# KiCad board demomatrix.kicad_pcb (continued)
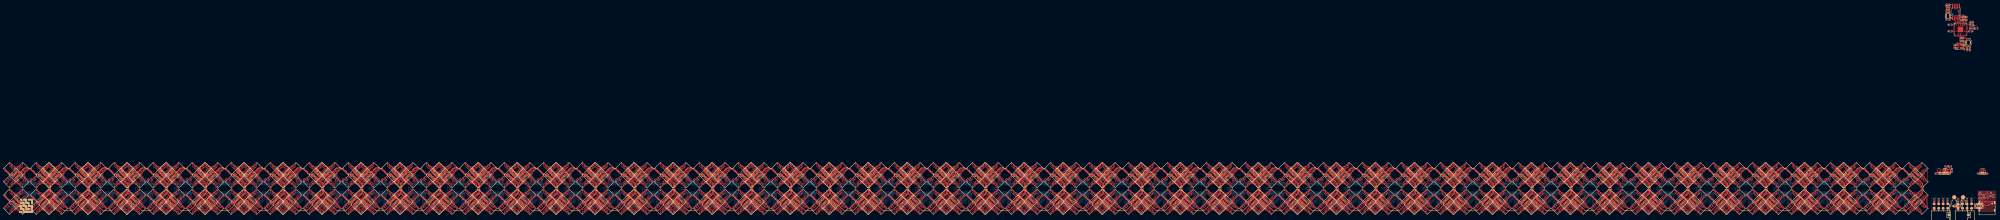
[diagram p0: board, top side]
## Routing (per net, layer and track width the routed paths; a pad name or vN(x,y) marks a point on that pad's centre or on a via; arc(x,y) is an arc through that point) (continued)
rgbs[3]-anodes-anode-171: length 1.8
  Top w0.2: LED316.8 -860.32,1.37 -859.11,1.37 -858.94,1.53 -858.9,1.53 LED315.7
rgbs[3]-anodes-anode-172: length 9.5
  Top w0.2: LED319.3 -842.13,-0.1 -842.13,-0.07 -841.98,0.08 -841.98,0.89 -843.54,2.45 -843.79,2.45 -844.47,1.77 -844.91,1.77 -845.59,2.45 -845.84,2.45 -846.4,1.89 -846.4,1.88 -846.69,1.59 -846.7,1.59 -847.43,0.87 -847.43,0.08 LED320.4
rgbs[3]-anodes-anode-173: length 12.8
  Top w0.2: LED319.1 -841.28,-0.94 -841.28,-0.9 -841.15,-0.77 -841.22,-0.69 -841.22,0.7 -843.37,2.85 -843.95,2.85 -844.64,2.17 -844.74,2.17 -845.43,2.85 -846.01,2.85 -846.8,2.06 -846.8,2.05 -846.86,1.99 -846.86,1.99 -848.16,0.7 -848.16,-0.88 LED320.2
rgbs[3]-anodes-anode-174: length 3.9
  Top w0.2: LED320.6 -846.46,0.62 -845.26,0.62 -844.92,0.97 -844.46,0.97 -844.11,0.61 -843.12,0.61 LED319.5
rgbs[3]-anodes-anode-175: length 1.8
  Top w0.2: LED319.7 -843.9,1.53 -843.94,1.53 -844.11,1.37 -845.32,1.37 LED320.8
rgbs[3]-anodes-anode-176: length 9.5
  Top w0.2: LED20.4 -840.43,15.08 -840.43,15.87 -839.7,16.59 -839.69,16.59 -839.4,16.88 -839.4,16.89 -838.84,17.45 -838.59,17.45 -837.91,16.77 -837.47,16.77 -836.79,17.45 -836.54,17.45 -834.98,15.89 -834.98,15.08 -835.13,14.93 -835.13,14.9 LED19.3
rgbs[3]-anodes-anode-177: length 12.8
  Top w0.2: LED19.1 -834.28,14.06 -834.28,14.1 -834.15,14.23 -834.22,14.31 -834.22,15.7 -836.37,17.85 -836.95,17.85 -837.64,17.17 -837.74,17.17 -838.43,17.85 -839.01,17.85 -839.8,17.06 -839.8,17.05 -839.86,16.99 -839.86,16.99 -841.16,15.7 -841.16,14.12 LED20.2
rgbs[3]-anodes-anode-178: length 3.9
  Top w0.2: LED19.5 -836.12,15.61 -837.11,15.61 -837.46,15.97 -837.92,15.97 -838.26,15.62 -839.46,15.62 LED20.6
rgbs[3]-anodes-anode-179: length 1.8
  Top w0.2: LED19.7 -836.9,16.53 -836.94,16.53 -837.11,16.37 -838.32,16.37 LED20.8
rgbs[3]-anodes-anode-180: length 9.5
  Top w0.2: LED24.4 -825.43,15.08 -825.43,15.87 -824.7,16.59 -824.69,16.59 -824.4,16.88 -824.4,16.89 -823.84,17.45 -823.59,17.45 -822.91,16.77 -822.47,16.77 -821.79,17.45 -821.54,17.45 -819.98,15.89 -819.98,15.08 -820.13,14.93 -820.13,14.9 LED23.3
rgbs[3]-anodes-anode-181: length 12.8
  Top w0.2: LED24.2 -826.16,14.12 -826.16,15.7 -824.86,16.99 -824.86,16.99 -824.8,17.05 -824.8,17.06 -824.01,17.85 -823.43,17.85 -822.74,17.17 -822.64,17.17 -821.95,17.85 -821.37,17.85 -819.22,15.7 -819.22,14.31 -819.15,14.23 -819.28,14.1 -819.28,14.06 LED23.1
rgbs[3]-anodes-anode-182: length 3.9
  Top w0.2: LED24.6 -824.46,15.62 -823.26,15.62 -822.92,15.97 -822.46,15.97 -822.11,15.61 -821.12,15.61 LED23.5
rgbs[3]-anodes-anode-183: length 1.8
  Top w0.2: LED23.7 -821.9,16.53 -821.94,16.53 -822.11,16.37 -823.32,16.37 LED24.8
rgbs[3]-anodes-anode-184: length 9.5
  Top w0.2: LED28.4 -840.43,0.08 -840.43,0.87 -839.7,1.59 -839.69,1.59 -839.4,1.88 -839.4,1.89 -838.84,2.45 -838.59,2.45 -837.91,1.77 -837.47,1.77 -836.79,2.45 -836.54,2.45 -834.98,0.89 -834.98,0.08 -835.13,-0.07 -835.13,-0.1 LED27.3
rgbs[3]-anodes-anode-185: length 12.8
  Top w0.2: LED27.1 -834.28,-0.94 -834.28,-0.9 -834.15,-0.77 -834.22,-0.69 -834.22,0.7 -836.37,2.85 -836.95,2.85 -837.64,2.17 -837.74,2.17 -838.43,2.85 -839.01,2.85 -839.8,2.06 -839.8,2.05 -839.86,1.99 -839.86,1.99 -841.16,0.7 -841.16,-0.88 LED28.2
rgbs[3]-anodes-anode-186: length 3.9
  Top w0.2: LED27.5 -836.12,0.61 -837.11,0.61 -837.46,0.97 -837.92,0.97 -838.26,0.62 -839.46,0.62 LED28.6
rgbs[3]-anodes-anode-187: length 1.8
  Top w0.2: LED28.8 -838.32,1.37 -837.11,1.37 -836.94,1.53 -836.9,1.53 LED27.7
rgbs[3]-anodes-anode-188: length 9.5
  Top w0.2: LED32.4 -825.43,0.08 -825.43,0.87 -824.7,1.59 -824.69,1.59 -824.4,1.88 -824.4,1.89 -823.84,2.45 -823.59,2.45 -822.91,1.77 -822.47,1.77 -821.79,2.45 -821.54,2.45 -819.98,0.89 -819.98,0.08 -820.13,-0.07 -820.13,-0.1 LED31.3
rgbs[3]-anodes-anode-189: length 12.8
  Top w0.2: LED32.2 -826.16,-0.88 -826.16,0.7 -824.86,1.99 -824.86,1.99 -824.8,2.05 -824.8,2.06 -824.01,2.85 -823.43,2.85 -822.74,2.17 -822.64,2.17 -821.95,2.85 -821.37,2.85 -819.22,0.7 -819.22,-0.69 -819.15,-0.77 -819.28,-0.9 -819.28,-0.94 LED31.1
rgbs[3]-anodes-anode-190: length 3.9
  Top w0.2: LED31.5 -821.12,0.61 -822.11,0.61 -822.46,0.97 -822.92,0.97 -823.26,0.62 -824.46,0.62 LED32.6
rgbs[3]-anodes-anode-191: length 1.8
  Top w0.2: LED32.8 -823.32,1.37 -822.11,1.37 -821.94,1.53 -821.9,1.53 LED31.7
rgbs[3]-anodes-anode-192: length 9.5
  Top w0.2: LED324.4 -818.43,15.08 -818.43,15.87 -817.7,16.59 -817.69,16.59 -817.4,16.88 -817.4,16.89 -816.84,17.45 -816.59,17.45 -815.91,16.77 -815.47,16.77 -814.79,17.45 -814.54,17.45 -812.98,15.89 -812.98,15.08 -813.13,14.93 -813.13,14.9 LED323.3
rgbs[3]-anodes-anode-193: length 12.8
  Top w0.2: LED324.2 -819.16,14.12 -819.16,15.7 -817.86,16.99 -817.86,16.99 -817.8,17.05 -817.8,17.06 -817.01,17.85 -816.43,17.85 -815.74,17.17 -815.64,17.17 -814.95,17.85 -814.37,17.85 -812.22,15.7 -812.22,14.31 -812.15,14.23 -812.28,14.1 -812.28,14.06 LED323.1
rgbs[3]-anodes-anode-194: length 3.9
  Top w0.2: LED324.6 -817.46,15.62 -816.26,15.62 -815.92,15.97 -815.46,15.97 -815.11,15.61 -814.12,15.61 LED323.5
rgbs[3]-anodes-anode-195: length 1.8
  Top w0.2: LED324.8 -816.32,16.37 -815.11,16.37 -814.94,16.53 -814.9,16.53 LED323.7
rgbs[3]-anodes-anode-196: length 9.5
  Top w0.2: LED328.4 -803.43,15.08 -803.43,15.87 -802.7,16.59 -802.69,16.59 -802.4,16.88 -802.4,16.89 -801.84,17.45 -801.59,17.45 -800.91,16.77 -800.47,16.77 -799.79,17.45 -799.54,17.45 -797.98,15.89 -797.98,15.08 -798.13,14.93 -798.13,14.9 LED327.3
rgbs[3]-anodes-anode-197: length 12.8
  Top w0.2: LED328.2 -804.16,14.12 -804.16,15.7 -802.86,16.99 -802.86,16.99 -802.8,17.05 -802.8,17.06 -802.01,17.85 -801.43,17.85 -800.74,17.17 -800.64,17.17 -799.95,17.85 -799.37,17.85 -797.22,15.7 -797.22,14.31 -797.15,14.23 -797.28,14.1 -797.28,14.06 LED327.1
rgbs[3]-anodes-anode-198: length 3.9
  Top w0.2: LED327.5 -799.12,15.61 -800.11,15.61 -800.46,15.97 -800.92,15.97 -801.26,15.62 -802.46,15.62 LED328.6
rgbs[3]-anodes-anode-199: length 1.8
  Top w0.2: LED327.7 -799.9,16.53 -799.94,16.53 -800.11,16.37 -801.32,16.37 LED328.8
rgbs[3]-anodes-anode-200: length 9.5
  Top w0.2: LED331.3 -813.13,-0.1 -813.13,-0.07 -812.98,0.08 -812.98,0.89 -814.54,2.45 -814.79,2.45 -815.47,1.77 -815.91,1.77 -816.59,2.45 -816.84,2.45 -817.4,1.89 -817.4,1.88 -817.69,1.59 -817.7,1.59 -818.43,0.87 -818.43,0.08 LED332.4
rgbs[3]-anodes-anode-201: length 12.8
  Top w0.2: LED331.1 -812.28,-0.94 -812.28,-0.9 -812.15,-0.77 -812.22,-0.69 -812.22,0.7 -814.37,2.85 -814.95,2.85 -815.64,2.17 -815.74,2.17 -816.43,2.85 -817.01,2.85 -817.8,2.06 -817.8,2.05 -817.86,1.99 -817.86,1.99 -819.16,0.7 -819.16,-0.88 LED332.2
rgbs[3]-anodes-anode-202: length 3.9
  Top w0.2: LED332.6 -817.46,0.62 -816.26,0.62 -815.92,0.97 -815.46,0.97 -815.11,0.61 -814.12,0.61 LED331.5
rgbs[3]-anodes-anode-203: length 1.8
  Top w0.2: LED331.7 -814.9,1.53 -814.94,1.53 -815.11,1.37 -816.32,1.37 LED332.8
rgbs[3]-anodes-anode-204: length 9.5
  Top w0.2: LED335.3 -798.13,-0.1 -798.13,-0.07 -797.98,0.08 -797.98,0.89 -799.54,2.45 -799.79,2.45 -800.47,1.77 -800.91,1.77 -801.59,2.45 -801.84,2.45 -802.4,1.89 -802.4,1.88 -802.69,1.59 -802.7,1.59 -803.43,0.87 -803.43,0.08 LED336.4
rgbs[3]-anodes-anode-205: length 12.8
  Top w0.2: LED336.2 -804.16,-0.88 -804.16,0.7 -802.86,1.99 -802.86,1.99 -802.8,2.05 -802.8,2.06 -802.01,2.85 -801.43,2.85 -800.74,2.17 -800.64,2.17 -799.95,2.85 -799.37,2.85 -797.22,0.7 -797.22,-0.69 -797.15,-0.77 -797.28,-0.9 -797.28,-0.94 LED335.1
rgbs[3]-anodes-anode-206: length 3.9
  Top w0.2: LED336.6 -802.46,0.62 -801.26,0.62 -800.92,0.97 -800.46,0.97 -800.11,0.61 -799.12,0.61 LED335.5
rgbs[3]-anodes-anode-207: length 1.8
  Top w0.2: LED335.7 -799.9,1.53 -799.94,1.53 -800.11,1.37 -801.32,1.37 LED336.8
rgbs[3]-anodes-anode-208: length 9.5
  Top w0.2: LED339.3 -791.13,14.9 -791.13,14.93 -790.98,15.08 -790.98,15.89 -792.54,17.45 -792.79,17.45 -793.47,16.77 -793.91,16.77 -794.59,17.45 -794.84,17.45 -795.4,16.89 -795.4,16.88 -795.69,16.59 -795.7,16.59 -796.43,15.87 -796.43,15.08 LED340.4
rgbs[3]-anodes-anode-209: length 12.8
  Top w0.2: LED340.2 -797.16,14.12 -797.16,15.7 -795.86,16.99 -795.86,16.99 -795.8,17.05 -795.8,17.06 -795.01,17.85 -794.43,17.85 -793.74,17.17 -793.64,17.17 -792.95,17.85 -792.37,17.85 -790.22,15.7 -790.22,14.31 -790.15,14.23 -790.28,14.1 -790.28,14.06 LED339.1
rgbs[3]-anodes-anode-210: length 3.9
  Top w0.2: LED340.6 -795.46,15.62 -794.26,15.62 -793.92,15.97 -793.46,15.97 -793.11,15.61 -792.12,15.61 LED339.5
rgbs[3]-anodes-anode-211: length 1.8
  Top w0.2: LED340.8 -794.32,16.37 -793.11,16.37 -792.94,16.53 -792.9,16.53 LED339.7
rgbs[3]-anodes-anode-212: length 9.5
  Top w0.2: LED344.4 -781.43,15.08 -781.43,15.87 -780.7,16.59 -780.69,16.59 -780.4,16.88 -780.4,16.89 -779.84,17.45 -779.59,17.45 -778.91,16.77 -778.47,16.77 -777.79,17.45 -777.54,17.45 -775.98,15.89 -775.98,15.08 -776.13,14.93 -776.13,14.9 LED343.3
rgbs[3]-anodes-anode-213: length 12.8
  Top w0.2: LED344.2 -782.16,14.12 -782.16,15.7 -780.86,16.99 -780.86,16.99 -780.8,17.05 -780.8,17.06 -780.01,17.85 -779.43,17.85 -778.74,17.17 -778.64,17.17 -777.95,17.85 -777.37,17.85 -775.22,15.7 -775.22,14.31 -775.15,14.23 -775.28,14.1 -775.28,14.06 LED343.1
rgbs[3]-anodes-anode-214: length 3.9
  Top w0.2: LED344.6 -780.46,15.62 -779.26,15.62 -778.92,15.97 -778.46,15.97 -778.11,15.61 -777.12,15.61 LED343.5
rgbs[3]-anodes-anode-215: length 1.8
  Top w0.2: LED343.7 -777.9,16.53 -777.94,16.53 -778.11,16.37 -779.32,16.37 LED344.8
rgbs[3]-anodes-anode-216: length 9.5
  Top w0.2: LED348.4 -796.43,0.08 -796.43,0.87 -795.7,1.59 -795.69,1.59 -795.4,1.88 -795.4,1.89 -794.84,2.45 -794.59,2.45 -793.91,1.77 -793.47,1.77 -792.79,2.45 -792.54,2.45 -790.98,0.89 -790.98,0.08 -791.13,-0.07 -791.13,-0.1 LED347.3
rgbs[3]-anodes-anode-217: length 12.8
  Top w0.2: LED347.1 -790.28,-0.94 -790.28,-0.9 -790.15,-0.77 -790.22,-0.69 -790.22,0.7 -792.37,2.85 -792.95,2.85 -793.64,2.17 -793.74,2.17 -794.43,2.85 -795.01,2.85 -795.8,2.06 -795.8,2.05 -795.86,1.99 -795.86,1.99 -797.16,0.7 -797.16,-0.88 LED348.2
rgbs[3]-anodes-anode-218: length 3.9
  Top w0.2: LED347.5 -792.12,0.61 -793.11,0.61 -793.46,0.97 -793.92,0.97 -794.26,0.62 -795.46,0.62 LED348.6
rgbs[3]-anodes-anode-219: length 1.8
  Top w0.2: LED347.7 -792.9,1.53 -792.94,1.53 -793.11,1.37 -794.32,1.37 LED348.8
rgbs[3]-anodes-anode-220: length 9.5
  Top w0.2: LED351.3 -776.13,-0.1 -776.13,-0.07 -775.98,0.08 -775.98,0.89 -777.54,2.45 -777.79,2.45 -778.47,1.77 -778.91,1.77 -779.59,2.45 -779.84,2.45 -780.4,1.89 -780.4,1.88 -780.69,1.59 -780.7,1.59 -781.43,0.87 -781.43,0.08 LED352.4
rgbs[3]-anodes-anode-221: length 12.8
  Top w0.2: LED352.2 -782.16,-0.88 -782.16,0.7 -780.86,1.99 -780.86,1.99 -780.8,2.05 -780.8,2.06 -780.01,2.85 -779.43,2.85 -778.74,2.17 -778.64,2.17 -777.95,2.85 -777.37,2.85 -775.22,0.7 -775.22,-0.69 -775.15,-0.77 -775.28,-0.9 -775.28,-0.94 LED351.1
rgbs[3]-anodes-anode-222: length 3.9
  Top w0.2: LED352.6 -780.46,0.62 -779.26,0.62 -778.92,0.97 -778.46,0.97 -778.11,0.61 -777.12,0.61 LED351.5
rgbs[3]-anodes-anode-223: length 1.8
  Top w0.2: LED351.7 -777.9,1.53 -777.94,1.53 -778.11,1.37 -779.32,1.37 LED352.8
rgbs[3]-anodes-anode-224: length 9.5
  Top w0.2: LED355.3 -769.13,14.9 -769.13,14.93 -768.98,15.08 -768.98,15.89 -770.54,17.45 -770.79,17.45 -771.47,16.77 -771.91,16.77 -772.59,17.45 -772.84,17.45 -773.4,16.89 -773.4,16.88 -773.69,16.59 -773.7,16.59 -774.43,15.87 -774.43,15.08 LED356.4
rgbs[3]-anodes-anode-225: length 12.8
  Top w0.2: LED355.1 -768.28,14.06 -768.28,14.1 -768.15,14.23 -768.22,14.31 -768.22,15.7 -770.37,17.85 -770.95,17.85 -771.64,17.17 -771.74,17.17 -772.43,17.85 -773.01,17.85 -773.8,17.06 -773.8,17.05 -773.86,16.99 -773.86,16.99 -775.16,15.7 -775.16,14.12 LED356.2
rgbs[3]-anodes-anode-226: length 3.9
  Top w0.2: LED356.6 -773.46,15.62 -772.26,15.62 -771.92,15.97 -771.46,15.97 -771.11,15.61 -770.12,15.61 LED355.5
rgbs[3]-anodes-anode-227: length 1.8
  Top w0.2: LED356.8 -772.32,16.37 -771.11,16.37 -770.94,16.53 -770.9,16.53 LED355.7
rgbs[3]-anodes-anode-228: length 9.5
  Top w0.2: LED360.4 -759.43,15.08 -759.43,15.87 -758.7,16.59 -758.69,16.59 -758.4,16.88 -758.4,16.89 -757.84,17.45 -757.59,17.45 -756.91,16.77 -756.47,16.77 -755.79,17.45 -755.54,17.45 -753.98,15.89 -753.98,15.08 -754.13,14.93 -754.13,14.9 LED359.3
rgbs[3]-anodes-anode-229: length 12.8
  Top w0.2: LED359.1 -753.28,14.06 -753.28,14.1 -753.15,14.23 -753.22,14.31 -753.22,15.7 -755.37,17.85 -755.95,17.85 -756.64,17.17 -756.74,17.17 -757.43,17.85 -758.01,17.85 -758.8,17.06 -758.8,17.05 -758.86,16.99 -758.86,16.99 -760.16,15.7 -760.16,14.12 LED360.2
rgbs[3]-anodes-anode-230: length 3.9
  Top w0.2: LED359.5 -755.12,15.61 -756.11,15.61 -756.46,15.97 -756.92,15.97 -757.26,15.62 -758.46,15.62 LED360.6
rgbs[3]-anodes-anode-231: length 1.8
  Top w0.2: LED360.8 -757.32,16.37 -756.11,16.37 -755.94,16.53 -755.9,16.53 LED359.7
rgbs[3]-anodes-anode-232: length 9.5
  Top w0.2: LED363.3 -769.13,-0.1 -769.13,-0.07 -768.98,0.08 -768.98,0.89 -770.54,2.45 -770.79,2.45 -771.47,1.77 -771.91,1.77 -772.59,2.45 -772.84,2.45 -773.4,1.89 -773.4,1.88 -773.69,1.59 -773.7,1.59 -774.43,0.87 -774.43,0.08 LED364.4
rgbs[3]-anodes-anode-233: length 12.8
  Top w0.2: LED363.1 -768.28,-0.94 -768.28,-0.9 -768.15,-0.77 -768.22,-0.69 -768.22,0.7 -770.37,2.85 -770.95,2.85 -771.64,2.17 -771.74,2.17 -772.43,2.85 -773.01,2.85 -773.8,2.06 -773.8,2.05 -773.86,1.99 -773.86,1.99 -775.16,0.7 -775.16,-0.88 LED364.2
rgbs[3]-anodes-anode-234: length 3.9
  Top w0.2: LED364.6 -773.46,0.62 -772.26,0.62 -771.92,0.97 -771.46,0.97 -771.11,0.61 -770.12,0.61 LED363.5
rgbs[3]-anodes-anode-235: length 1.8
  Top w0.2: LED363.7 -770.9,1.53 -770.94,1.53 -771.11,1.37 -772.32,1.37 LED364.8
rgbs[3]-anodes-anode-236: length 9.5
  Top w0.2: LED367.3 -754.13,-0.1 -754.13,-0.07 -753.98,0.08 -753.98,0.89 -755.54,2.45 -755.79,2.45 -756.47,1.77 -756.91,1.77 -757.59,2.45 -757.84,2.45 -758.4,1.89 -758.4,1.88 -758.69,1.59 -758.7,1.59 -759.43,0.87 -759.43,0.08 LED368.4
rgbs[3]-anodes-anode-237: length 12.8
  Top w0.2: LED368.2 -760.16,-0.88 -760.16,0.7 -758.86,1.99 -758.86,1.99 -758.8,2.05 -758.8,2.06 -758.01,2.85 -757.43,2.85 -756.74,2.17 -756.64,2.17 -755.95,2.85 -755.37,2.85 -753.22,0.7 -753.22,-0.69 -753.15,-0.77 -753.28,-0.9 -753.28,-0.94 LED367.1
rgbs[3]-anodes-anode-238: length 3.9
  Top w0.2: LED368.6 -758.46,0.62 -757.26,0.62 -756.92,0.97 -756.46,0.97 -756.11,0.61 -755.12,0.61 LED367.5
rgbs[3]-anodes-anode-239: length 1.8
  Top w0.2: LED368.8 -757.32,1.37 -756.11,1.37 -755.94,1.53 -755.9,1.53 LED367.7
rgbs[3]-anodes-anode-240: length 9.5
  Top w0.2: LED371.3 -747.13,14.9 -747.13,14.93 -746.98,15.08 -746.98,15.89 -748.54,17.45 -748.79,17.45 -749.47,16.77 -749.91,16.77 -750.59,17.45 -750.84,17.45 -751.4,16.89 -751.4,16.88 -751.69,16.59 -751.7,16.59 -752.43,15.87 -752.43,15.08 LED372.4
rgbs[3]-anodes-anode-241: length 12.8
  Top w0.2: LED371.1 -746.28,14.06 -746.28,14.1 -746.15,14.23 -746.22,14.31 -746.22,15.7 -748.37,17.85 -748.95,17.85 -749.64,17.17 -749.74,17.17 -750.43,17.85 -751.01,17.85 -751.8,17.06 -751.8,17.05 -751.86,16.99 -751.86,16.99 -753.16,15.7 -753.16,14.12 LED372.2
rgbs[3]-anodes-anode-242: length 3.9
  Top w0.2: LED372.6 -751.46,15.62 -750.26,15.62 -749.92,15.97 -749.46,15.97 -749.11,15.61 -748.12,15.61 LED371.5
rgbs[3]-anodes-anode-243: length 1.8
  Top w0.2: LED372.8 -750.32,16.37 -749.11,16.37 -748.94,16.53 -748.9,16.53 LED371.7
rgbs[3]-anodes-anode-244: length 9.5
  Top w0.2: LED376.4 -737.43,15.08 -737.43,15.87 -736.7,16.59 -736.69,16.59 -736.4,16.88 -736.4,16.89 -735.84,17.45 -735.59,17.45 -734.91,16.77 -734.47,16.77 -733.79,17.45 -733.54,17.45 -731.98,15.89 -731.98,15.08 -732.13,14.93 -732.13,14.9 LED375.3
rgbs[3]-anodes-anode-245: length 12.8
  Top w0.2: LED375.1 -731.28,14.06 -731.28,14.1 -731.15,14.23 -731.22,14.31 -731.22,15.7 -733.37,17.85 -733.95,17.85 -734.64,17.17 -734.74,17.17 -735.43,17.85 -736.01,17.85 -736.8,17.06 -736.8,17.05 -736.86,16.99 -736.86,16.99 -738.16,15.7 -738.16,14.12 LED376.2
rgbs[3]-anodes-anode-246: length 3.9
  Top w0.2: LED376.6 -736.46,15.62 -735.26,15.62 -734.92,15.97 -734.46,15.97 -734.11,15.61 -733.12,15.61 LED375.5
rgbs[3]-anodes-anode-247: length 1.8
  Top w0.2: LED376.8 -735.32,16.37 -734.11,16.37 -733.94,16.53 -733.9,16.53 LED375.7
rgbs[3]-anodes-anode-248: length 9.5
  Top w0.2: LED379.3 -747.13,-0.1 -747.13,-0.07 -746.98,0.08 -746.98,0.89 -748.54,2.45 -748.79,2.45 -749.47,1.77 -749.91,1.77 -750.59,2.45 -750.84,2.45 -751.4,1.89 -751.4,1.88 -751.69,1.59 -751.7,1.59 -752.43,0.87 -752.43,0.08 LED380.4
rgbs[3]-anodes-anode-249: length 12.8
  Top w0.2: LED379.1 -746.28,-0.94 -746.28,-0.9 -746.15,-0.77 -746.22,-0.69 -746.22,0.7 -748.37,2.85 -748.95,2.85 -749.64,2.17 -749.74,2.17 -750.43,2.85 -751.01,2.85 -751.8,2.06 -751.8,2.05 -751.86,1.99 -751.86,1.99 -753.16,0.7 -753.16,-0.88 LED380.2
rgbs[3]-anodes-anode-250: length 3.9
  Top w0.2: LED379.5 -748.12,0.61 -749.11,0.61 -749.46,0.97 -749.92,0.97 -750.26,0.62 -751.46,0.62 LED380.6
rgbs[3]-anodes-anode-251: length 1.8
  Top w0.2: LED379.7 -748.9,1.53 -748.94,1.53 -749.11,1.37 -750.32,1.37 LED380.8
rgbs[3]-anodes-anode-252: length 9.5
  Top w0.2: LED384.4 -737.43,0.08 -737.43,0.87 -736.7,1.59 -736.69,1.59 -736.4,1.88 -736.4,1.89 -735.84,2.45 -735.59,2.45 -734.91,1.77 -734.47,1.77 -733.79,2.45 -733.54,2.45 -731.98,0.89 -731.98,0.08 -732.13,-0.07 -732.13,-0.1 LED383.3
rgbs[3]-anodes-anode-253: length 12.8
  Top w0.2: LED384.2 -738.16,-0.88 -738.16,0.7 -736.86,1.99 -736.86,1.99 -736.8,2.05 -736.8,2.06 -736.01,2.85 -735.43,2.85 -734.74,2.17 -734.64,2.17 -733.95,2.85 -733.37,2.85 -731.22,0.7 -731.22,-0.69 -731.15,-0.77 -731.28,-0.9 -731.28,-0.94 LED383.1
rgbs[3]-anodes-anode-254: length 3.9
  Top w0.2: LED384.6 -736.46,0.62 -735.26,0.62 -734.92,0.97 -734.46,0.97 -734.11,0.61 -733.12,0.61 LED383.5
rgbs[3]-anodes-anode-255: length 1.8
  Top w0.2: LED384.8 -735.32,1.37 -734.11,1.37 -733.94,1.53 -733.9,1.53 LED383.7
rgbs[3]-anodes-anode-256: length 9.5
  Top w0.2: LED387.3 -725.13,14.9 -725.13,14.93 -724.98,15.08 -724.98,15.89 -726.54,17.45 -726.79,17.45 -727.47,16.77 -727.91,16.77 -728.59,17.45 -728.84,17.45 -729.4,16.89 -729.4,16.88 -729.69,16.59 -729.7,16.59 -730.43,15.87 -730.43,15.08 LED388.4
rgbs[3]-anodes-anode-257: length 12.8
  Top w0.2: LED387.1 -724.28,14.06 -724.28,14.1 -724.15,14.23 -724.22,14.31 -724.22,15.7 -726.37,17.85 -726.95,17.85 -727.64,17.17 -727.74,17.17 -728.43,17.85 -729.01,17.85 -729.8,17.06 -729.8,17.05 -729.86,16.99 -729.86,16.99 -731.16,15.7 -731.16,14.12 LED388.2
rgbs[3]-anodes-anode-258: length 3.9
  Top w0.2: LED388.6 -729.46,15.62 -728.26,15.62 -727.92,15.97 -727.46,15.97 -727.11,15.61 -726.12,15.61 LED387.5
rgbs[3]-anodes-anode-259: length 1.8
  Top w0.2: LED387.7 -726.9,16.53 -726.94,16.53 -727.11,16.37 -728.32,16.37 LED388.8
rgbs[3]-anodes-anode-260: length 9.5
  Top w0.2: LED392.4 -715.43,15.08 -715.43,15.87 -714.7,16.59 -714.69,16.59 -714.4,16.88 -714.4,16.89 -713.84,17.45 -713.59,17.45 -712.91,16.77 -712.47,16.77 -711.79,17.45 -711.54,17.45 -709.98,15.89 -709.98,15.08 -710.13,14.93 -710.13,14.9 LED391.3
rgbs[3]-anodes-anode-261: length 12.8
  Top w0.2: LED392.2 -716.16,14.12 -716.16,15.7 -714.86,16.99 -714.86,16.99 -714.8,17.05 -714.8,17.06 -714.01,17.85 -713.43,17.85 -712.74,17.17 -712.64,17.17 -711.95,17.85 -711.37,17.85 -709.22,15.7 -709.22,14.31 -709.15,14.23 -709.28,14.1 -709.28,14.06 LED391.1
rgbs[3]-anodes-anode-262: length 3.9
  Top w0.2: LED391.5 -711.12,15.61 -712.11,15.61 -712.46,15.97 -712.92,15.97 -713.26,15.62 -714.46,15.62 LED392.6
rgbs[3]-anodes-anode-263: length 1.8
  Top w0.2: LED391.7 -711.9,16.53 -711.94,16.53 -712.11,16.37 -713.32,16.37 LED392.8
rgbs[3]-anodes-anode-264: length 9.5
  Top w0.2: LED395.3 -725.13,-0.1 -725.13,-0.07 -724.98,0.08 -724.98,0.89 -726.54,2.45 -726.79,2.45 -727.47,1.77 -727.91,1.77 -728.59,2.45 -728.84,2.45 -729.4,1.89 -729.4,1.88 -729.69,1.59 -729.7,1.59 -730.43,0.87 -730.43,0.08 LED396.4
rgbs[3]-anodes-anode-265: length 12.8
  Top w0.2: LED395.1 -724.28,-0.94 -724.28,-0.9 -724.15,-0.77 -724.22,-0.69 -724.22,0.7 -726.37,2.85 -726.95,2.85 -727.64,2.17 -727.74,2.17 -728.43,2.85 -729.01,2.85 -729.8,2.06 -729.8,2.05 -729.86,1.99 -729.86,1.99 -731.16,0.7 -731.16,-0.88 LED396.2
rgbs[3]-anodes-anode-266: length 3.9
  Top w0.2: LED395.5 -726.12,0.61 -727.11,0.61 -727.46,0.97 -727.92,0.97 -728.26,0.62 -729.46,0.62 LED396.6
rgbs[3]-anodes-anode-267: length 1.8
  Top w0.2: LED395.7 -726.9,1.53 -726.94,1.53 -727.11,1.37 -728.32,1.37 LED396.8
rgbs[3]-anodes-anode-268: length 9.5
  Top w0.2: LED399.3 -710.13,-0.1 -710.13,-0.07 -709.98,0.08 -709.98,0.89 -711.54,2.45 -711.79,2.45 -712.47,1.77 -712.91,1.77 -713.59,2.45 -713.84,2.45 -714.4,1.89 -714.4,1.88 -714.69,1.59 -714.7,1.59 -715.43,0.87 -715.43,0.08 LED400.4
rgbs[3]-anodes-anode-269: length 12.8
  Top w0.2: LED399.1 -709.28,-0.94 -709.28,-0.9 -709.15,-0.77 -709.22,-0.69 -709.22,0.7 -711.37,2.85 -711.95,2.85 -712.64,2.17 -712.74,2.17 -713.43,2.85 -714.01,2.85 -714.8,2.06 -714.8,2.05 -714.86,1.99 -714.86,1.99 -716.16,0.7 -716.16,-0.88 LED400.2
rgbs[3]-anodes-anode-270: length 3.9
  Top w0.2: LED400.6 -714.46,0.62 -713.26,0.62 -712.92,0.97 -712.46,0.97 -712.11,0.61 -711.12,0.61 LED399.5
rgbs[3]-anodes-anode-271: length 1.8
  Top w0.2: LED399.7 -711.9,1.53 -711.94,1.53 -712.11,1.37 -713.32,1.37 LED400.8
rgbs[3]-anodes-anode-272: length 9.5
  Top w0.2: LED403.3 -703.13,14.9 -703.13,14.93 -702.98,15.08 -702.98,15.89 -704.54,17.45 -704.79,17.45 -705.47,16.77 -705.91,16.77 -706.59,17.45 -706.84,17.45 -707.4,16.89 -707.4,16.88 -707.69,16.59 -707.7,16.59 -708.43,15.87 -708.43,15.08 LED404.4
rgbs[3]-anodes-anode-273: length 12.8
  Top w0.2: LED403.1 -702.28,14.06 -702.28,14.1 -702.15,14.23 -702.22,14.31 -702.22,15.7 -704.37,17.85 -704.95,17.85 -705.64,17.17 -705.74,17.17 -706.43,17.85 -707.01,17.85 -707.8,17.06 -707.8,17.05 -707.86,16.99 -707.86,16.99 -709.16,15.7 -709.16,14.12 LED404.2
rgbs[3]-anodes-anode-274: length 3.9
  Top w0.2: LED403.5 -704.12,15.61 -705.11,15.61 -705.46,15.97 -705.92,15.97 -706.26,15.62 -707.46,15.62 LED404.6
rgbs[3]-anodes-anode-275: length 1.8
  Top w0.2: LED403.7 -704.9,16.53 -704.94,16.53 -705.11,16.37 -706.32,16.37 LED404.8
rgbs[3]-anodes-anode-276: length 9.5
  Top w0.2: LED407.3 -688.13,14.9 -688.13,14.93 -687.98,15.08 -687.98,15.89 -689.54,17.45 -689.79,17.45 -690.47,16.77 -690.91,16.77 -691.59,17.45 -691.84,17.45 -692.4,16.89 -692.4,16.88 -692.69,16.59 -692.7,16.59 -693.43,15.87 -693.43,15.08 LED408.4
rgbs[3]-anodes-anode-277: length 12.8
  Top w0.2: LED407.1 -687.28,14.06 -687.28,14.1 -687.15,14.23 -687.22,14.31 -687.22,15.7 -689.37,17.85 -689.95,17.85 -690.64,17.17 -690.74,17.17 -691.43,17.85 -692.01,17.85 -692.8,17.06 -692.8,17.05 -692.86,16.99 -692.86,16.99 -694.16,15.7 -694.16,14.12 LED408.2
rgbs[3]-anodes-anode-278: length 3.9
  Top w0.2: LED407.5 -689.12,15.61 -690.11,15.61 -690.46,15.97 -690.92,15.97 -691.26,15.62 -692.46,15.62 LED408.6
rgbs[3]-anodes-anode-279: length 1.8
  Top w0.2: LED407.7 -689.9,16.53 -689.94,16.53 -690.11,16.37 -691.32,16.37 LED408.8
rgbs[3]-anodes-anode-280: length 9.5
  Top w0.2: LED411.3 -703.13,-0.1 -703.13,-0.07 -702.98,0.08 -702.98,0.89 -704.54,2.45 -704.79,2.45 -705.47,1.77 -705.91,1.77 -706.59,2.45 -706.84,2.45 -707.4,1.89 -707.4,1.88 -707.69,1.59 -707.7,1.59 -708.43,0.87 -708.43,0.08 LED412.4
rgbs[3]-anodes-anode-281: length 12.8
  Top w0.2: LED412.2 -709.16,-0.88 -709.16,0.7 -707.86,1.99 -707.86,1.99 -707.8,2.05 -707.8,2.06 -707.01,2.85 -706.43,2.85 -705.74,2.17 -705.64,2.17 -704.95,2.85 -704.37,2.85 -702.22,0.7 -702.22,-0.69 -702.15,-0.77 -702.28,-0.9 -702.28,-0.94 LED411.1
rgbs[3]-anodes-anode-282: length 3.9
  Top w0.2: LED412.6 -707.46,0.62 -706.26,0.62 -705.92,0.97 -705.46,0.97 -705.11,0.61 -704.12,0.61 LED411.5
rgbs[3]-anodes-anode-283: length 1.8
  Top w0.2: LED411.7 -704.9,1.53 -704.94,1.53 -705.11,1.37 -706.32,1.37 LED412.8
rgbs[3]-anodes-anode-284: length 9.5
  Top w0.2: LED415.3 -688.13,-0.1 -688.13,-0.07 -687.98,0.08 -687.98,0.89 -689.54,2.45 -689.79,2.45 -690.47,1.77 -690.91,1.77 -691.59,2.45 -691.84,2.45 -692.4,1.89 -692.4,1.88 -692.69,1.59 -692.7,1.59 -693.43,0.87 -693.43,0.08 LED416.4
rgbs[3]-anodes-anode-285: length 12.8
  Top w0.2: LED415.1 -687.28,-0.94 -687.28,-0.9 -687.15,-0.77 -687.22,-0.69 -687.22,0.7 -689.37,2.85 -689.95,2.85 -690.64,2.17 -690.74,2.17 -691.43,2.85 -692.01,2.85 -692.8,2.06 -692.8,2.05 -692.86,1.99 -692.86,1.99 -694.16,0.7 -694.16,-0.88 LED416.2
rgbs[3]-anodes-anode-286: length 3.9
  Top w0.2: LED415.5 -689.12,0.61 -690.11,0.61 -690.46,0.97 -690.92,0.97 -691.26,0.62 -692.46,0.62 LED416.6
rgbs[3]-anodes-anode-287: length 1.8
  Top w0.2: LED415.7 -689.9,1.53 -689.94,1.53 -690.11,1.37 -691.32,1.37 LED416.8
rgbs[3]-anodes-anode-288: length 9.5
  Top w0.2: LED419.3 -681.13,14.9 -681.13,14.93 -680.98,15.08 -680.98,15.89 -682.54,17.45 -682.79,17.45 -683.47,16.77 -683.91,16.77 -684.59,17.45 -684.84,17.45 -685.4,16.89 -685.4,16.88 -685.69,16.59 -685.7,16.59 -686.43,15.87 -686.43,15.08 LED420.4